# Altium PCB Graviton-RB1.PcbDoc (part 1 of 11) (continued)
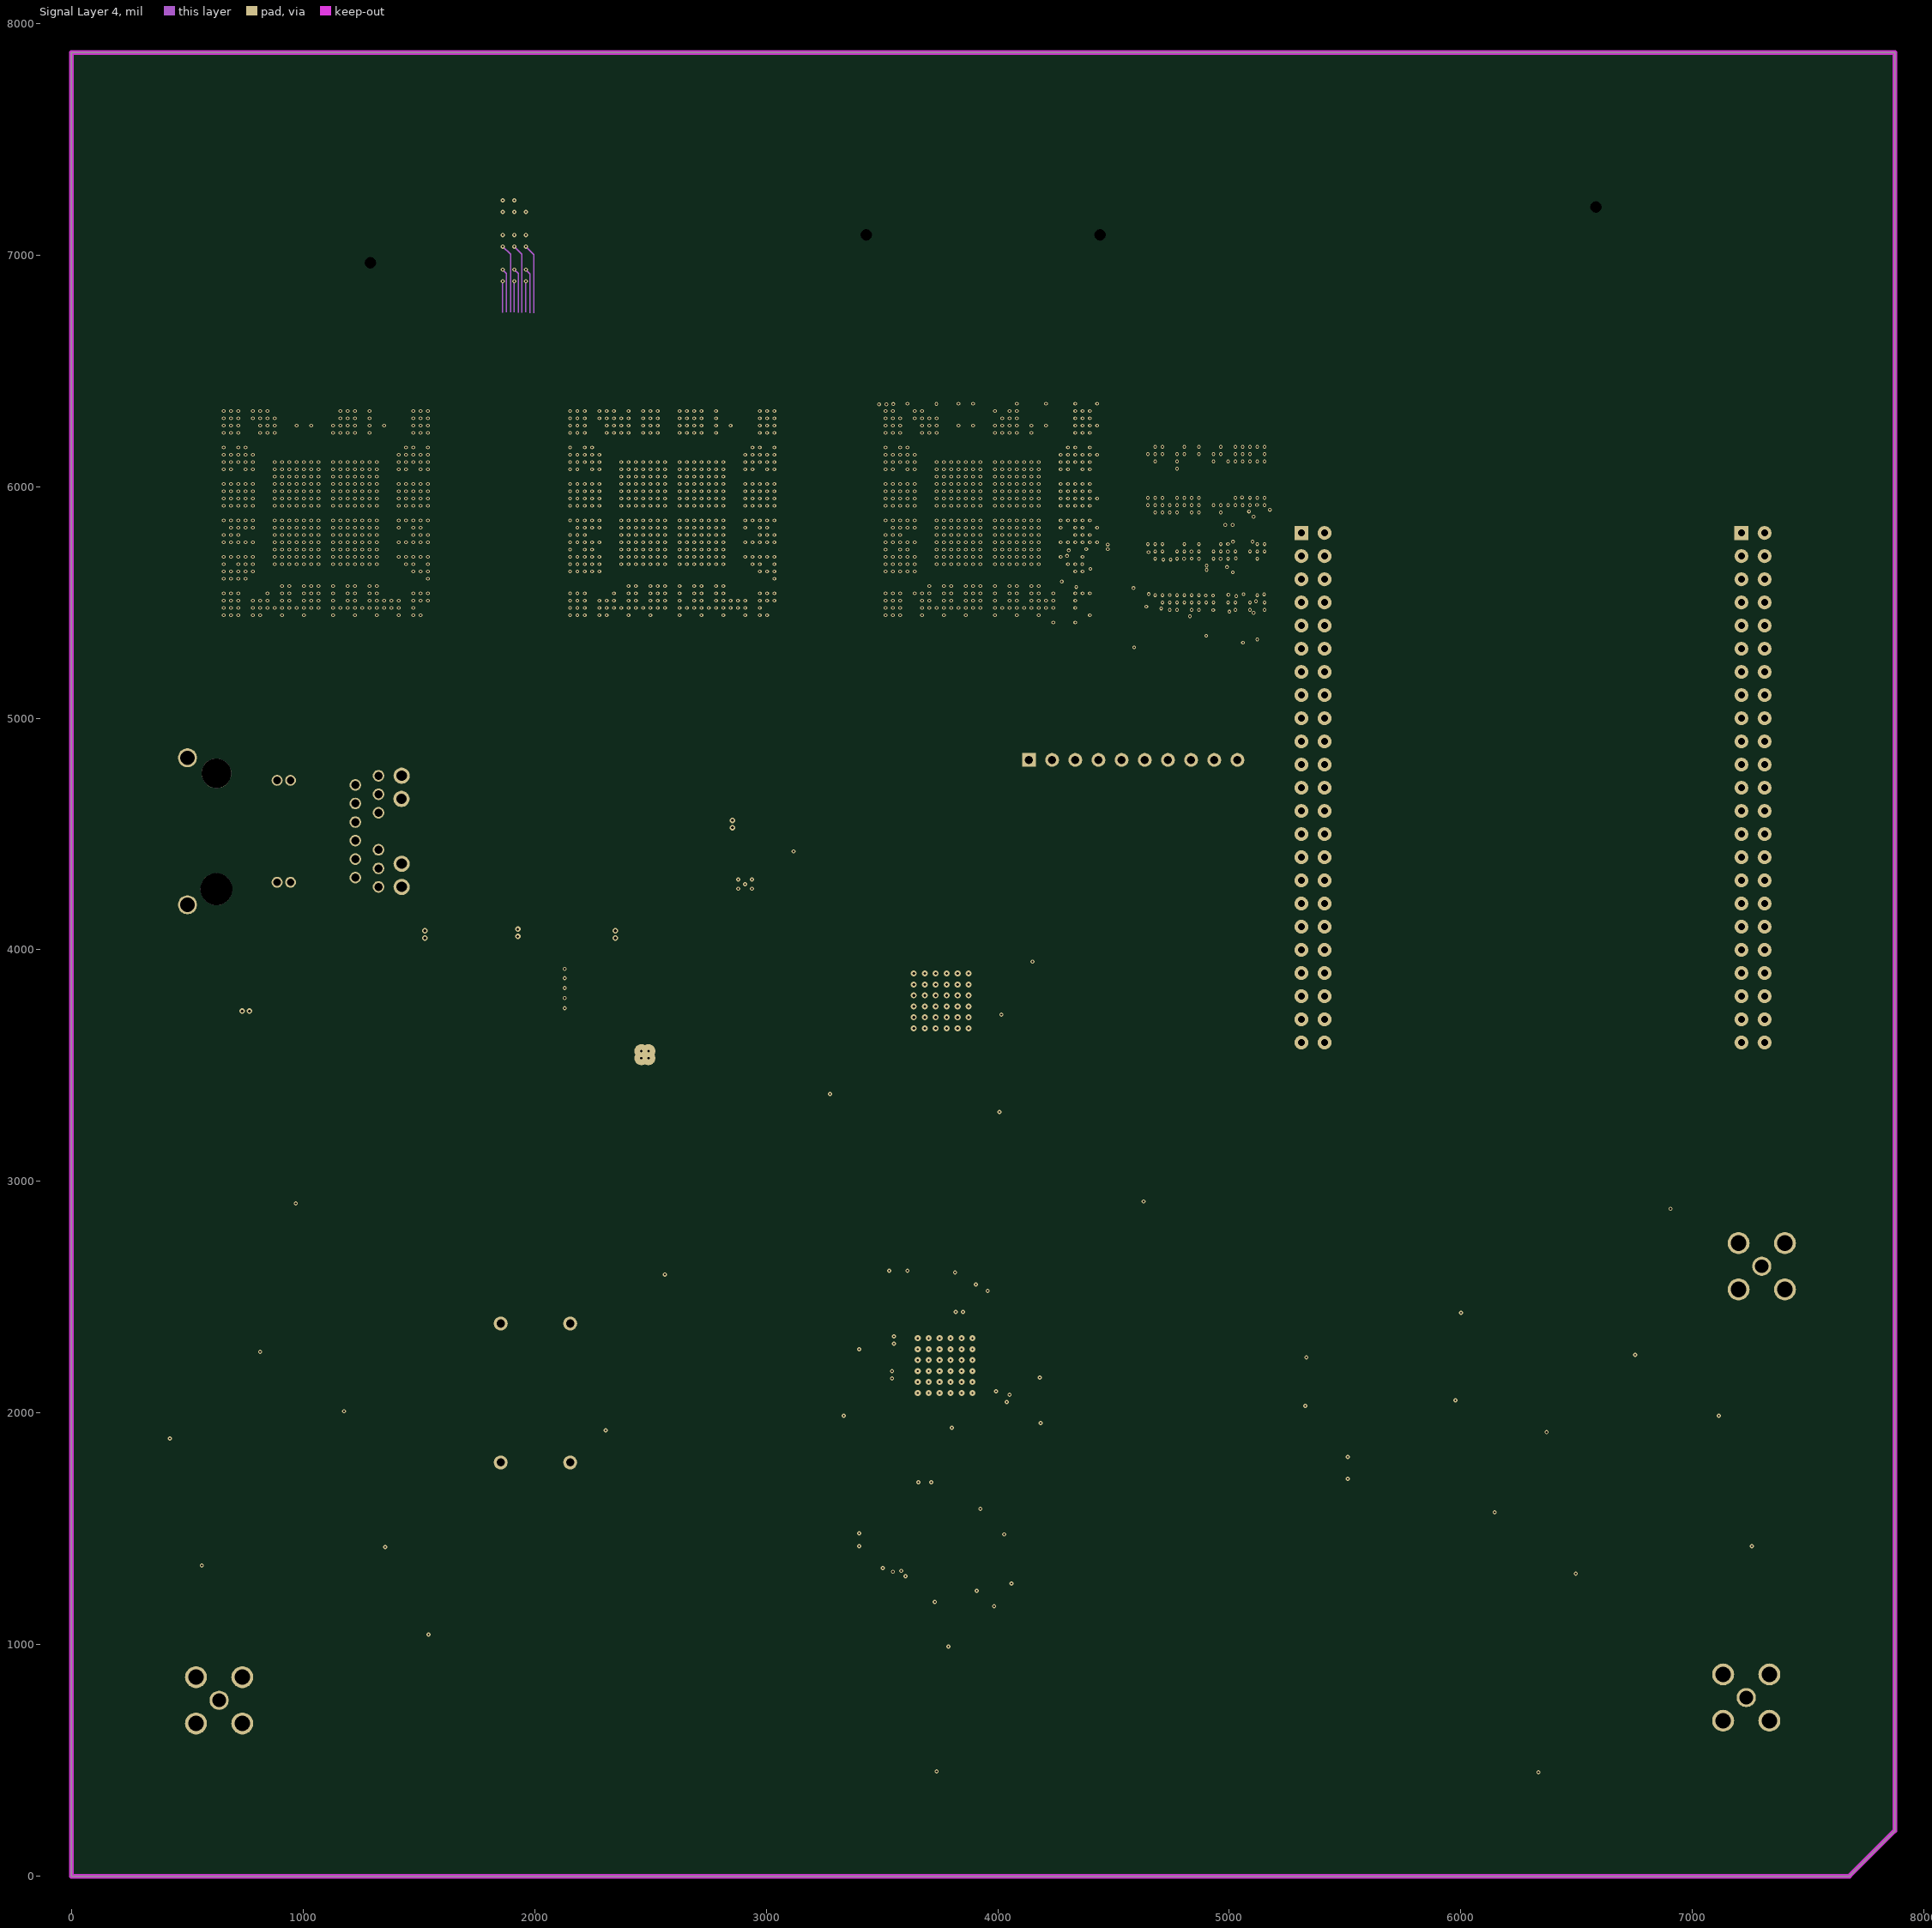
[diagram p8: Signal Layer 4]
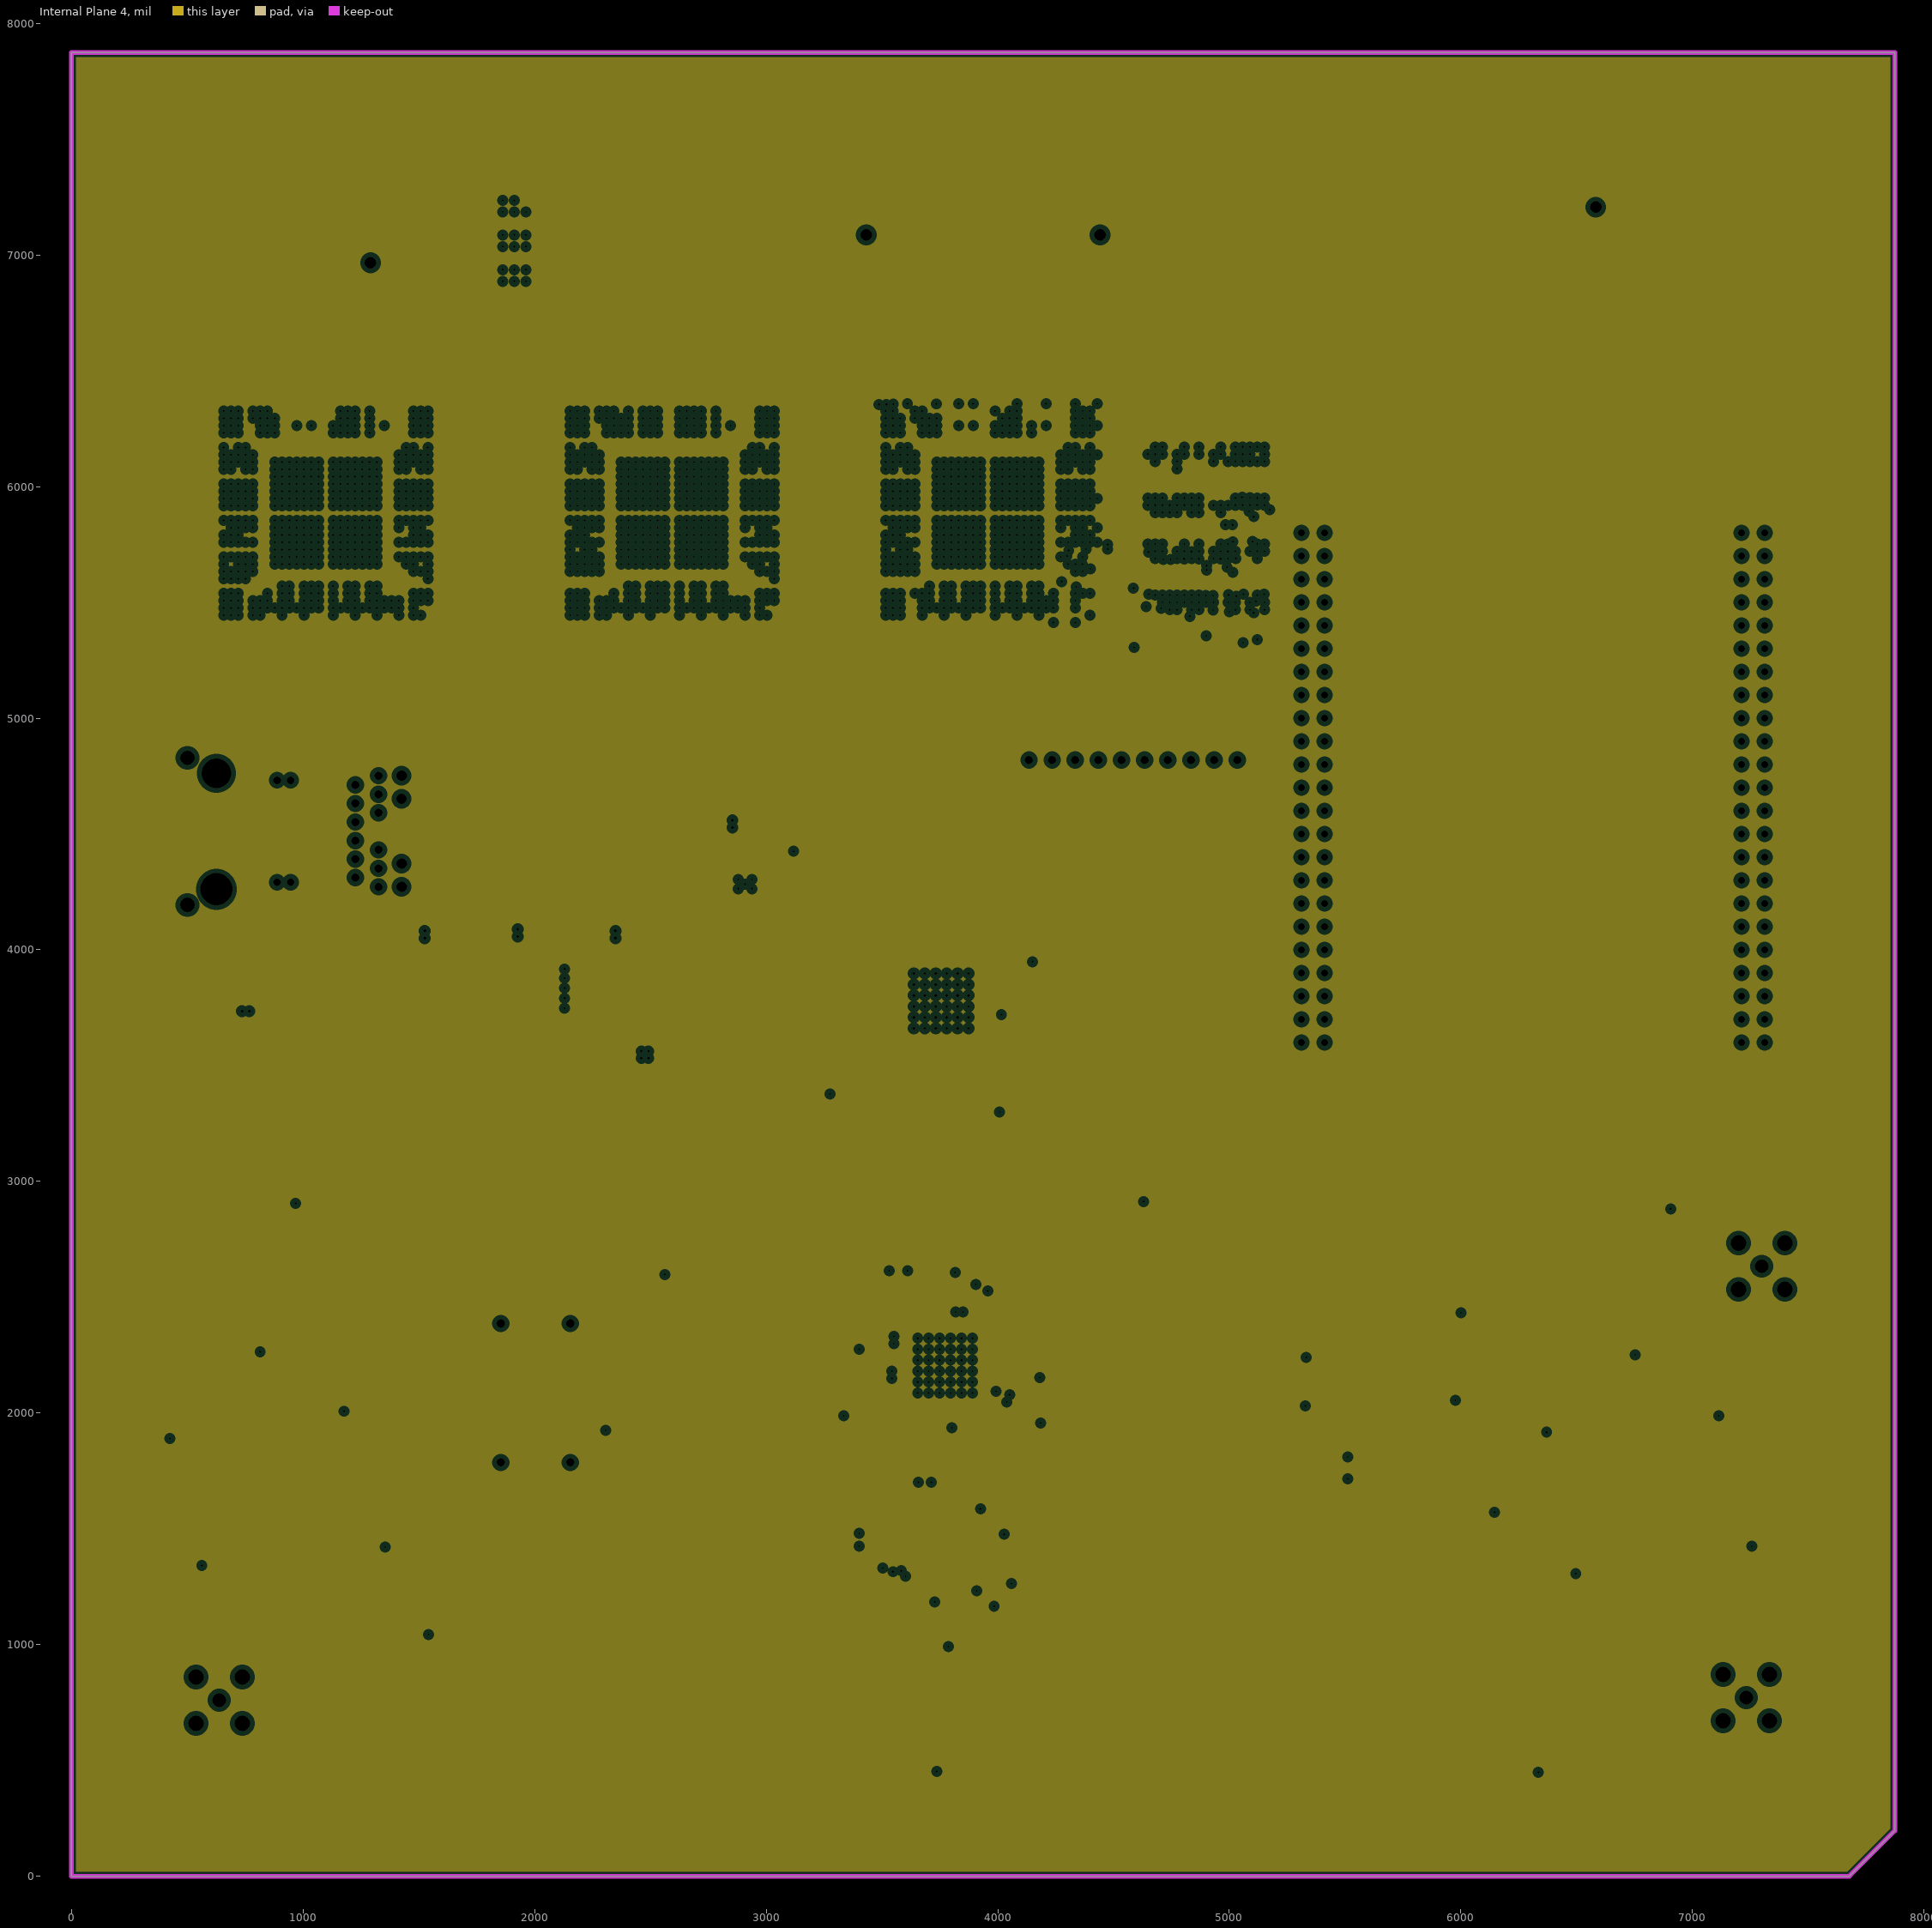
[diagram p9: Internal Plane 4, clearances drawn from the general rule]

## Layer stack, top to bottom
Top Solder: solder mask 0.4, Solder Resist, Dk 3.5
Top Layer: signal copper 1.417
Dielectric 1: core 3.9, FR408, Dk 3.67
Internal Plane 1: plane copper 0.709
Dielectric 2: prepreg 3.9, FR408, Dk 3.67
Signal Layer 1: signal copper 0.709
Dielectric 3: core 3.9, FR408, Dk 3.67
Internal Plane 2: plane copper 1.417
Dielectric 4: prepreg 5, FR408, Dk 4.2
Signal Layer 2: signal copper 0.709
Dielectric 5: core 10, FR408, Dk 4.2
Signal Layer 3: signal copper 0.709
Dielectric 6: prepreg 5, FR408, Dk 4.2
Internal Plane 3: plane copper 0.709
Dielectric 7: core 10, FR408, Dk 4.2
Signal Layer 4: signal copper 0.709
Dielectric 8: prepreg 5, FR408, Dk 4.2
Internal Plane 4: plane copper 0.709
Dielectric 9: core 10, FR408, Dk 4.2
Bottom Layer: signal copper 1.417
Bottom Solder: solder mask 0.4, Solder Resist, Dk 3.5

## Board outline
0,0 7677.17,0 7874.02,196.85 7874.02,7874.02 0,7874.02

## Design rules (kind name [scope] priority, off if disabled: settings)
Clearance Clearance_BGA [WithinRoom('BGA_U19A') Or WithinRoom('BGA_U19B') Or WithinRoom('BGA_U19C')] p1: gap=4
Clearance [All] p2: gap=5
ComponentClearance [All] p1 off: gap=10 collisioncheckmode=3 verticalgap=10 showdistances=FALSE
DiffPairsRouting [All] p1: maxlimit=5 minlimit=3.15 mostfreqgap=3.15 toplayer_mingap=5 toplayer_prefgap=5 toplayer_minwidth=2.99 toplayer_maxwidth=2.99 toplayer_prefwidth=2.99 midlayer2_maxgap=3.15 midlayer2_minwidth=2.99 midlayer2_maxwidth=2.99 midlayer2_prefwidth=2.99 midlayer4_maxgap=3.15 midlayer4_minwidth=2.99 midlayer4_maxwidth=2.99 midlayer4_prefwidth=2.99 midlayer5_maxgap=3.15 midlayer5_minwidth=2.99 midlayer5_maxwidth=2.99 midlayer5_prefwidth=2.99 midlayer7_maxgap=3.15 midlayer7_minwidth=2.99 midlayer7_maxwidth=2.99 midlayer7_prefwidth=2.99 bottomlayer_mingap=5 bottomlayer_prefgap=5 bottomlayer_minwidth=2.99 bottomlayer_maxwidth=2.99 bottomlayer_prefwidth=2.99 maxuncoupledlength=500
FanoutControl Fanout_BGA [IsBGA] p1: bgadir=Out bgaviamode=Centered fanoutstyle=BGA fanoutdirection=Alternating viagrid=1 // Fanout_BGA (Default Rule)
HoleSize [All] p1: absolutevalues=TRUE maxlimit=1000 minlimit=10 maxpercent=80.000 minpercent=20.000
Length "Schematic Length Constraint" [InNet('NetR43_1')] p1: maxlimit=2000 minlimit=0
MatchedLengths MatchedLengths-DDR-DQS0 [InNetClass('DDR-DQS0')] p1: tolerance=20 checknetsindiffpair=FALSE checkdiffpairvsdiffpair=TRUE checkxsignals=TRUE checkothers=TRUE
MatchedLengths MatchedLengths-DDR-ALL [InNetClass('DDR-ALL')] p2: tolerance=2000 checknetsindiffpair=FALSE checkdiffpairvsdiffpair=TRUE checkxsignals=TRUE checkothers=TRUE
MatchedLengths MatchedLengths-DDR-DQS3 [InNetClass('DDR-DQS3')] p3: tolerance=20 checknetsindiffpair=FALSE checkdiffpairvsdiffpair=TRUE checkxsignals=TRUE checkothers=TRUE
MatchedLengths MatchedLengths-DDR-DQS2 [InNetClass('DDR-DQS2')] p4: tolerance=20 checknetsindiffpair=FALSE checkdiffpairvsdiffpair=TRUE checkxsignals=TRUE checkothers=TRUE
MatchedLengths MatchedLengths-DDR-DQS1 [InNetClass('DDR-DQS1')] p5: tolerance=20 checknetsindiffpair=FALSE checkdiffpairvsdiffpair=TRUE checkxsignals=TRUE checkothers=TRUE
MatchedLengths MatchedLengths-P1A.DDRCC [InNetClass('P1A.DDRCC')] p6: tolerance=236.22 checknetsindiffpair=FALSE checkdiffpairvsdiffpair=TRUE checkxsignals=TRUE checkothers=TRUE
MatchedLengths MatchedLengths-P1A.SDRCC [InNetClass('P1A.SDRCC')] p7: tolerance=236.22 checknetsindiffpair=FALSE checkdiffpairvsdiffpair=TRUE checkxsignals=TRUE checkothers=TRUE
MatchedLengths MatchedLengths-P1B.DDRCC [InNetClass('P1B.DDRCC')] p8: tolerance=236.22 checknetsindiffpair=FALSE checkdiffpairvsdiffpair=TRUE checkxsignals=TRUE checkothers=TRUE
MatchedLengths MatchedLengths-P1B.SDRCC [InNetClass('P1B.SDRCC')] p9: tolerance=236.22 checknetsindiffpair=FALSE checkdiffpairvsdiffpair=TRUE checkxsignals=TRUE checkothers=TRUE
MatchedLengths MatchedLengths-P2A.DDRCC [InNetClass('P2A.DDRCC')] p10: tolerance=236.22 checknetsindiffpair=FALSE checkdiffpairvsdiffpair=TRUE checkxsignals=TRUE checkothers=TRUE
MatchedLengths MatchedLengths-P2A.SDRCC [InNetClass('P2A.SDRCC')] p11: tolerance=236.22 checknetsindiffpair=FALSE checkdiffpairvsdiffpair=TRUE checkxsignals=TRUE checkothers=TRUE
MatchedLengths MatchedLengths-P2B.DDRCC [InNetClass('P2B.DDRCC')] p12: tolerance=236.22 checknetsindiffpair=FALSE checkdiffpairvsdiffpair=TRUE checkxsignals=TRUE checkothers=TRUE
MatchedLengths MatchedLengths-P2BSDRCC [InNetClass('P2B.SDRCC')] p13: tolerance=236.22 checknetsindiffpair=FALSE checkdiffpairvsdiffpair=TRUE checkxsignals=TRUE checkothers=TRUE
MatchedLengths MatchedLengths-GPMC [InNetClass('GPMC')] p14: tolerance=236.22 checknetsindiffpair=FALSE checkdiffpairvsdiffpair=TRUE checkxsignals=TRUE checkothers=TRUE
PlaneClearance [All] p1: clearance=20
PlaneConnect [All] p1: planeconnectstyle=Relief reliefexpansion=20 reliefentries=4 reliefconductorwidth=10 reliefairgap=10
PolygonConnect [All] p1: connectstyle=Direct reliefconductorwidth=10 reliefentries=4 polygonreliefangle="90 Angle" airgapwidth=10
RoomDefinition ENET-FPGA [InComponentClass('ENET-FPGA')] p1: confinementstyle=ConfineIn formatcopy=TRUE lockcomponents=FALSE outline 6287.4,22433.07 13590.55,22433.07 13590.55,23543.31 6287.4,23543.31
RoomDefinition SW1V2 [InComponentClass('SW1V2')] p2: confinementstyle=ConfineIn formatcopy=TRUE lockcomponents=FALSE outline -5397.64,7740.16 -5027.56,7740.16 -5027.56,8157.48 -5397.64,8157.48
RoomDefinition SW1V5 [InComponentClass('SW1V5')] p3: confinementstyle=ConfineIn formatcopy=TRUE lockcomponents=FALSE outline -5027.56,7740.16 -4657.48,7740.16 -4657.48,8157.48 -5027.56,8157.48
RoomDefinition SW2V5 [InComponentClass('SW2V5')] p4: confinementstyle=ConfineIn formatcopy=TRUE lockcomponents=FALSE outline -4657.48,7740.16 -4287.4,7740.16 -4287.4,8157.48 -4657.48,8157.48
RoomDefinition SW3V3 [InComponentClass('SW3V3')] p5: confinementstyle=ConfineIn formatcopy=TRUE lockcomponents=FALSE outline -4287.4,7740.16 -3917.32,7740.16 -3917.32,8157.48 -4287.4,8157.48
RoomDefinition SW1V8 [InComponentClass('SW1V8')] p6: confinementstyle=ConfineIn formatcopy=TRUE lockcomponents=FALSE outline -5767.72,7740.16 -5397.64,7740.16 -5397.64,8157.48 -5767.72,8157.48
RoomDefinition U_TXPA1B [InComponentClass('U_TXPA1B')] p7: confinementstyle=ConfineIn formatcopy=TRUE lockcomponents=FALSE outline -6582.68,-177.17 -5712.6,-177.17 -5712.6,299.21 -6582.68,299.21
RoomDefinition U_TXPA1A [InComponentClass('U_TXPA1A')] p8: confinementstyle=ConfineIn formatcopy=TRUE lockcomponents=FALSE outline -645.67,-214.57 224.41,-214.57 224.41,261.81 -645.67,261.81
RoomDefinition U_TXPA0B [InComponentClass('U_TXPA0B')] p9: confinementstyle=ConfineIn formatcopy=TRUE lockcomponents=FALSE outline -6724.41,370.08 -5854.33,370.08 -5854.33,846.46 -6724.41,846.46
RoomDefinition U_TXPA0A [InComponentClass('U_TXPA0A')] p10: confinementstyle=ConfineIn formatcopy=TRUE lockcomponents=FALSE outline -787.4,352.36 82.68,352.36 82.68,828.74 -787.4,828.74
RoomDefinition U_RXMIXB [InComponentClass('U_RXMIXB')] p11: confinementstyle=ConfineIn formatcopy=TRUE lockcomponents=FALSE outline 12251.97,543.31 13035.43,543.31 13035.43,1377.95 12251.97,1377.95
RoomDefinition U_RXMIXA [InComponentClass('U_RXMIXA')] p12: confinementstyle=ConfineIn formatcopy=TRUE lockcomponents=FALSE outline 13287.4,692.91 14299.21,692.91 14299.21,1326.77 13287.4,1326.77
RoomDefinition U_RFTXB [InComponentClass('U_RFTXB')] p13: confinementstyle=ConfineIn formatcopy=TRUE lockcomponents=FALSE outline -6732.28,905.51 -5055.12,905.51 -5055.12,1929.13 -6732.28,1929.13
RoomDefinition U_RFTXA [InComponentClass('U_RFTXA')] p14: confinementstyle=ConfineIn formatcopy=TRUE lockcomponents=FALSE outline -795.28,884.84 881.89,884.84 881.89,1908.46 -795.28,1908.46
RoomDefinition U_RFRXB [InComponentClass('U_RFRXB')] p15: confinementstyle=ConfineIn formatcopy=TRUE lockcomponents=FALSE outline 14578.74,846.46 15460.63,846.46 15460.63,1452.76 14578.74,1452.76
RoomDefinition U_RFRXA [InComponentClass('U_RFRXA')] p16: confinementstyle=ConfineIn formatcopy=TRUE lockcomponents=FALSE outline 15893.7,944.88 16598.43,944.88 16598.43,1503.94 15893.7,1503.94
RoomDefinition U_RFLNA1B [InComponentClass('U_RFLNA1B')] p17: confinementstyle=ConfineIn formatcopy=TRUE lockcomponents=FALSE outline 9366.14,3578.74 10555.12,3578.74 10555.12,5118.11 9366.14,5118.11
RoomDefinition U_RFLNA1A [InComponentClass('U_RFLNA1A')] p18: confinementstyle=ConfineIn formatcopy=TRUE lockcomponents=FALSE outline 10732.28,3425.2 11818.9,3425.2 11818.9,5070.87 10732.28,5070.87
RoomDefinition U_RFLNA0B [InComponentClass('U_RFLNA0B')] p19: confinementstyle=ConfineIn formatcopy=TRUE lockcomponents=FALSE outline 12047.24,3476.38 13110.24,3476.38 13110.24,4992.13 12047.24,4992.13
RoomDefinition U_RFLNA0A [InComponentClass('U_RFLNA0A')] p20: confinementstyle=ConfineIn formatcopy=TRUE lockcomponents=FALSE outline 13437.01,3500 14980.32,3500 14980.32,4917.32 13437.01,4917.32
RoomDefinition U_RFAMPB [InComponentClass('U_RFAMPB')] p21: confinementstyle=ConfineIn formatcopy=TRUE lockcomponents=FALSE outline 15208.66,3500 16598.43,3500 16598.43,4992.13 15208.66,4992.13
RoomDefinition U_DSA1B [InComponentClass('U_DSA1B')] p22: confinementstyle=ConfineIn formatcopy=TRUE lockcomponents=FALSE outline 9342.52,1704.72 10531.5,1704.72 10531.5,3248.03 9342.52,3248.03
RoomDefinition U_DSA1A [InComponentClass('U_DSA1A')] p23: confinementstyle=ConfineIn formatcopy=TRUE lockcomponents=FALSE outline -2877.95,2148.62 -2877.95,1454.72 -2081.69,1454.72 -2081.69,2148.62
RoomDefinition U_DSA0B [InComponentClass('U_DSA0B')] p24: confinementstyle=ConfineIn formatcopy=TRUE lockcomponents=FALSE outline 10759.84,1807.09 11720.47,1807.09 11720.47,3196.85 10759.84,3196.85
RoomDefinition U_DSA0A [InComponentClass('U_DSA0A')] p25: confinementstyle=ConfineIn formatcopy=TRUE lockcomponents=FALSE outline 11972.44,1956.69 13389.76,1956.69 13389.76,3094.49 11972.44,3094.49
RoomDefinition U_AntennaB [InComponentClass('U_AntennaB')] p26: confinementstyle=ConfineIn formatcopy=TRUE lockcomponents=FALSE outline 13590.55,1956.69 14881.89,1956.69 14881.89,3070.87 13590.55,3070.87
RoomDefinition U_AntennaA [InComponentClass('U_AntennaA')] p27: confinementstyle=ConfineIn formatcopy=TRUE lockcomponents=FALSE outline 15059.06,1933.07 16649.61,1933.07 16649.61,3070.87 15059.06,3070.87
RoomDefinition FPGAPWRB [InComponentClass('FPGAPWRB')] p28: confinementstyle=ConfineIn formatcopy=TRUE lockcomponents=FALSE outline 814.96,28688.98 7708.66,28688.98 7708.66,29062.99 814.96,29062.99
RoomDefinition FPGAPWRA [InComponentClass('FPGAPWRA')] p29: confinementstyle=ConfineIn formatcopy=TRUE lockcomponents=FALSE outline 854.33,28421.26 7732.28,28421.26 7732.28,28645.67 854.33,28645.67
RoomDefinition FPGA8B [InComponentClass('FPGA8B')] p30: confinementstyle=ConfineIn formatcopy=TRUE lockcomponents=FALSE outline 834.65,28094.49 7700.79,28094.49 7700.79,28366.14 834.65,28366.14
RoomDefinition FPGA8A [InComponentClass('FPGA8A')] p31: confinementstyle=ConfineIn formatcopy=TRUE lockcomponents=FALSE outline 889.76,27791.34 7688.98,27791.34 7688.98,28062.99 889.76,28062.99
RoomDefinition FPGA7B [InComponentClass('FPGA7B')] p32: confinementstyle=ConfineIn formatcopy=TRUE lockcomponents=FALSE outline 889.76,27350.39 4547.24,27350.39 4547.24,27677.17 889.76,27677.17
RoomDefinition FPGA7A [InComponentClass('FPGA7A')] p33: confinementstyle=ConfineIn formatcopy=TRUE lockcomponents=FALSE outline 850.39,27066.93 4559.06,27066.93 4559.06,27295.28 850.39,27295.28
RoomDefinition FPGA6B [InComponentClass('FPGA6B')] p34: confinementstyle=ConfineIn formatcopy=TRUE lockcomponents=FALSE outline 964.57,26637.8 4590.55,26637.8 4590.55,26980.32 964.57,26980.32
RoomDefinition FPGA6A [InComponentClass('FPGA6A')] p35: confinementstyle=ConfineIn formatcopy=TRUE lockcomponents=FALSE outline 921.26,26295.28 4574.8,26295.28 4574.8,26606.3 921.26,26606.3
RoomDefinition FPGA4B [InComponentClass('FPGA4B')] p36: confinementstyle=ConfineIn formatcopy=TRUE lockcomponents=FALSE outline 850.39,25980.32 2905.51,25980.32 2905.51,26295.28 850.39,26295.28
RoomDefinition FPGA4A [InComponentClass('FPGA4A')] p37: confinementstyle=ConfineIn formatcopy=TRUE lockcomponents=FALSE outline 862.2,25637.8 3389.76,25637.8 3389.76,25952.76 862.2,25952.76
RoomDefinition FPGA3B [InComponentClass('FPGA3B')] p38: confinementstyle=ConfineIn formatcopy=TRUE lockcomponents=FALSE outline 862.2,25307.09 4748.03,25307.09 4748.03,25594.49 862.2,25594.49
RoomDefinition FPGA3A [InComponentClass('FPGA3A')] p39: confinementstyle=ConfineIn formatcopy=TRUE lockcomponents=FALSE outline 862.2,25007.87 4740.16,25007.87 4740.16,25259.84 862.2,25259.84
RoomDefinition FPGA2B [InComponentClass('FPGA2B')] p40: confinementstyle=ConfineIn formatcopy=TRUE lockcomponents=FALSE outline 842.52,24606.3 4460.63,24606.3 4460.63,24948.82 842.52,24948.82
RoomDefinition FPGA2A [InComponentClass('FPGA2A')] p41: confinementstyle=ConfineIn formatcopy=TRUE lockcomponents=FALSE outline 862.2,24267.72 4488.19,24267.72 4488.19,24578.74 862.2,24578.74
RoomDefinition FPGA1B [InComponentClass('FPGA1B')] p42: confinementstyle=ConfineIn formatcopy=TRUE lockcomponents=FALSE outline 862.2,23905.51 3610.24,23905.51 3610.24,24228.35 862.2,24228.35
RoomDefinition FPGA1A [InComponentClass('FPGA1A')] p43: confinementstyle=ConfineIn formatcopy=TRUE lockcomponents=FALSE outline 850.39,23582.68 3582.68,23582.68 3582.68,23858.27 850.39,23858.27
RoomDefinition FPGA0B [InComponentClass('FPGA0B')] p44: confinementstyle=ConfineIn formatcopy=TRUE lockcomponents=FALSE outline 842.52,23212.6 4850.39,23212.6 4850.39,23543.31 842.52,23543.31
RoomDefinition FPGA0A [InComponentClass('FPGA0A')] p45: confinementstyle=ConfineIn formatcopy=TRUE lockcomponents=FALSE outline 842.52,22881.89 4811.02,22881.89 4811.02,23173.23 842.52,23173.23
RoomDefinition U_sdram [InComponentClass('U_sdram')] p46: confinementstyle=ConfineIn formatcopy=TRUE lockcomponents=FALSE outline 2283.46,15334.65 6003.94,15334.65 6003.94,16248.03 2283.46,16248.03
RoomDefinition U_RFAMPA [InComponentClass('U_RFAMPA')] p47: confinementstyle=ConfineIn formatcopy=TRUE lockcomponents=FALSE outline -2543.31,472.44 -1759.84,472.44 -1759.84,1212.6 -2543.31,1212.6
RoomDefinition U_processing [InComponentClass('U_processing')] p48: confinementstyle=ConfineIn formatcopy=TRUE lockcomponents=FALSE outline 733.06,14647.94 1520.46,14647.94 1520.46,16124.32 733.06,16124.32
RoomDefinition U_power [InComponentClass('U_power')] p49: confinementstyle=ConfineIn formatcopy=TRUE lockcomponents=FALSE outline 9913.39,5342.52 16622.05,5342.52 16622.05,6637.8 9913.39,6637.8
RoomDefinition U_lo-synth [InComponentClass('U_lo-synth')] p50: confinementstyle=ConfineIn formatcopy=TRUE lockcomponents=FALSE outline -2994.09,-157.28 -3596.46,-157.28 -3596.46,-649.41 -2994.09,-649.41
RoomDefinition U_interlinkP2A [InComponentClass('U_interlinkP2A')] p51: confinementstyle=ConfineIn formatcopy=TRUE lockcomponents=FALSE outline 831.49,16984.25 1422.04,16984.25 1422.04,17503.94 831.49,17503.94
RoomDefinition U_interlinkP1A [InComponentClass('U_interlinkP1A')] p52: confinementstyle=ConfineIn formatcopy=TRUE lockcomponents=FALSE outline 2362.2,17031.5 3625.98,17031.5 3625.98,17515.75 2362.2,17515.75
RoomDefinition U_host-mcu [InComponentClass('U_host-mcu')] p53: confinementstyle=ConfineIn formatcopy=TRUE lockcomponents=TRUE outline 268.11,5263.78 -1881.89,5263.78 -1881.89,1863.78 268.11,1863.78
RoomDefinition U_ethernet [InComponentClass('U_ethernet')] p54: confinementstyle=ConfineIn formatcopy=TRUE lockcomponents=FALSE outline -2196.85,16110.24 -2196.85,12488.19 -539.37,12488.19 -539.37,16110.24
RoomDefinition U_DAC [InComponentClass('U_DAC')] p55: confinementstyle=ConfineIn formatcopy=TRUE lockcomponents=FALSE outline -8521.35,3374.02 -8521.35,1369.3 -7832.38,1369.3 -7832.38,3374.02
RoomDefinition U_clock-dist [InComponentClass('U_clock-dist')] p56: confinementstyle=ConfineIn formatcopy=TRUE lockcomponents=FALSE outline 733.06,3427.46 2701.57,3427.46 2701.57,3821.17 733.06,3821.17
RoomDefinition U_clock [InComponentClass('U_clock')] p57: confinementstyle=ConfineIn formatcopy=TRUE lockcomponents=FALSE outline 8677.17,-2929.13 11503.94,-2929.13 11503.94,543.31 8677.17,543.31
RoomDefinition U_ADC [InComponentClass('U_ADC')] p58: confinementstyle=ConfineIn formatcopy=TRUE lockcomponents=FALSE outline 8844.29,3655.51 8844.29,6450.79 8155.32,6450.79 8155.32,3655.51
RoomDefinition CONFIGPWR [InComponentClass('CONFIGPWR')] p59: confinementstyle=ConfineIn formatcopy=TRUE lockcomponents=FALSE outline 831.49,1065.26 4670.07,1065.26 4670.07,1360.54 831.49,1360.54
RoomDefinition CONFIG8 [InComponentClass('CONFIG8')] p60: confinementstyle=ConfineIn formatcopy=TRUE lockcomponents=FALSE outline -7019.69,17921.26 -326.77,17921.26 -326.77,18511.81 -7019.69,18511.81
RoomDefinition CONFIG2 [InComponentClass('CONFIG2')] p61: confinementstyle=ConfineIn formatcopy=TRUE lockcomponents=FALSE outline 2153.54,11838.58 4015.75,11838.58 4015.75,12169.29 2153.54,12169.29
RoomDefinition CONFIG0 [InComponentClass('CONFIG0')] p62: confinementstyle=ConfineIn formatcopy=TRUE lockcomponents=FALSE outline 8307.09,14933.07 10385.83,14933.07 10385.83,15724.41 8307.09,15724.41
RoutingVias BGA [WithinRoom('BGA_U19A') Or WithinRoom('BGA_U19B') Or WithinRoom('BGA_U19C')] p1: holewidth=6 width=12 viastyle="Through Hole" minholewidth=6 minwidth=12 maxholewidth=6 maxwidth=12
RoutingVias [All] p2: holewidth=28 width=50 viastyle="Through Hole" minholewidth=28 minwidth=50 maxholewidth=28 maxwidth=50